# Altium PCB P01-RADIO.PcbDoc (continued)
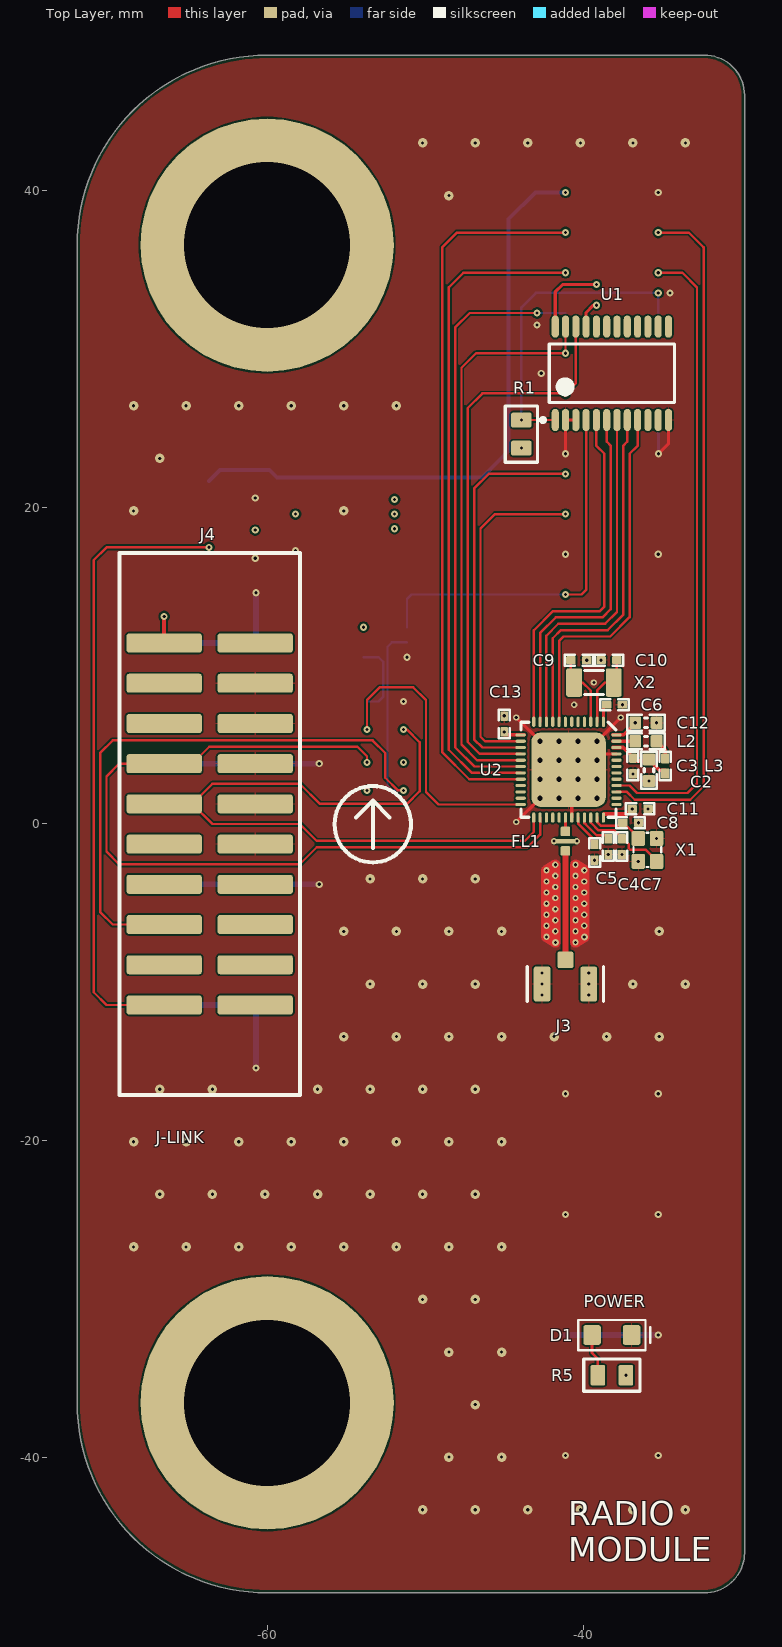
[diagram p0: Top Layer view]
## Footprints (in the part's own frame and the unit in brackets; to place one, negate y for a bottom-side part, rotate by r counter-clockwise, add the part's x,y. Pads: shape width x height; smd on the part's side, far side on the other; paste and mask are expansions set on the pad) (continued)
RT0805BRD0743KL [mm] "RES SMD 43K OHM 0.1% 1/8W 0805"
  rrect25% 0.93x1.3 smd: 1(-0.885,0) 2(0.885,0)
  silkscreen extent -1.77,-1.02 1.78,1.02, body extent -1.02,-0.64 1.01,0.63, height 0.64
SN74AHC1G08DBVR [mm] "IC GATE AND 1CH 2-INP SOT23-5"
  rrect25% 1x0.6 smd: 1(-1.375,0.95) 2(-1.375,0) 3(-1.375,-0.95) 4(1.375,-0.95) 5(1.375,0.95)
  silkscreen extent -1.5,-1.55 0.5,1.92, body extent -1.4,-1.45 1.4,1.45, height 1.45
TLV1117LV33DCYR [mm] "IC REG LINEAR 3.3V 1A SOT223-4"
  rrect25% 1.75x0.9 smd: 1(-3.125,2.3) 2(-3.125,0) 3(-3.125,-2.3)
  rrect25% 1.75x3.2 smd: 2(3.125,0)
  silkscreen extent -3.25,-3.35 1.95,3.42, body extent -3.5,-3.25 3.5,3.25, height 1.8

## Part data
C1 C14: library part CL21B105KAFNFNE, "CAP CER 1UF 25V X7R 0805", Capacitance="1 µF", Operating Temperature="-55°C ~ 125°C", Package / Case="0805 (2012 Metric)", Temperature Coefficient=X7R, Tolerance=±10%, Voltage - Rated=25V, Applications="General Purpose", Mounting Type="Surface Mount, MLCC", Size / Dimension="0.079\" L x 0.049\" W (2.00mm x 1.25mm)", Supplier 1="Arrow Electronics", Supplier Part Number 1=CL21B105KAFNFNE, Thickness (Max)="0.053\" (1.35mm)"
C2: library part GCM188R71E105KA64D, "CAP CER 1UF 25V X7R 0603", Capacitance="1 µF", Operating Temperature="-55°C ~ 125°C", Package / Case="0603 (1608 Metric)", Ratings=AEC-Q200, Temperature Coefficient=X7R, Tolerance=±10%, Voltage - Rated=25V, Applications=Automotive, Mounting Type="Surface Mount, MLCC", Size / Dimension="0.063\" L x 0.031\" W (1.60mm x 0.80mm)", Supplier 1="Arrow Electronics", Supplier Part Number 1=GCM188R71E105KA64D, Thickness (Max)="0.035\" (0.90mm)"
C3 C4 C5: library part GCM1555C1H101JA16D, "CAP CER 100PF 50V C0G/NP0 0402", Capacitance="100 pF", Operating Temperature="-55°C ~ 125°C", Package / Case="0402 (1005 Metric)", Ratings=AEC-Q200, Temperature Coefficient="C0G, NP0", Tolerance=±5%, Voltage - Rated=50V, Applications=Automotive, Mounting Type="Surface Mount, MLCC", Size / Dimension="0.039\" L x 0.020\" W (1.00mm x 0.50mm)", Supplier 1="Arrow Electronics", Supplier Part Number 1=GCM1555C1H101JA16D, Thickness (Max)="0.022\" (0.55mm)"
C6 C11 C13: library part GRM155R71H104KE14D, "CAP CER 0.1UF 50V X7R 0402", Capacitance="0.1 µF", Operating Temperature="-55°C ~ 125°C", Package / Case="0402 (1005 Metric)", Temperature Coefficient=X7R, Tolerance=±10%, Voltage - Rated=50V, Applications="General Purpose", Mounting Type="Surface Mount, MLCC", Size / Dimension="0.039\" L x 0.020\" W (1.00mm x 0.50mm)", Supplier 1="Arrow Electronics", Supplier Part Number 1=GRM155R71H104KE14D, Thickness (Max)="0.022\" (0.55mm)"
C7 C8 C9 C10: library part GJM1555C1H120GB01D, "CAP CER 12PF 50V C0G/NP0 0402", Capacitance="12 pF", Operating Temperature="-55°C ~ 125°C", Package / Case="0402 (1005 Metric)c", Temperature Coefficient="C0G, NP0", Tolerance=±2%, Voltage - Rated=50V, Applications="RF, Microwave, High Frequency", Features="High Q, Low Loss", Mounting Type="Surface Mount, MLCC", Size / Dimension="0.039\" L x 0.020\" W (1.00mm x 0.50mm)", Supplier 1="Arrow Electronics", Supplier Part Number 1=GJM1555C1H120GB01D, Thickness (Max)="0.022\" (0.55mm)"
C12: library part GRM188R61E475KE11D, "CAP CER 4.7UF 25V X5R 0603", Capacitance="4.7 µF", Operating Temperature="-55°C ~ 85°C", Package / Case="0603 (1608 Metric)", Temperature Coefficient=X5R, Tolerance=±10%, Voltage - Rated=25V, Applications="General Purpose", Mounting Type="Surface Mount, MLCCc", Size / Dimension="0.063\" L x 0.031\" W (1.60mm x 0.80mm)", Supplier 1="Arrow Electronics", Supplier Part Number 1=GRM188R61E475KE11D, Thickness (Max)="0.037\" (0.95mm)"
D1: "LED GREEN CLEAR CHIP SMD", Color=Green, Current - Test=20mA, Lens Color=Colorless, Millicandela Rating=12mcd, Package / Case="0805 (2012 Metric)", Supplier Device Package="Chip LED", Supplier Part Number 1=160-1423-1-ND, Voltage - Forward (Vf) (Typ)=2.1V, Configuration=Standard, Height (Max)=0.90mm, Lens Size="1.40mm x 1.25mm", Lens Style="Rectangle with Flat Top", Lens Transparency=Clear, Mounting Type="Surface Mount", Size / Dimension="2.00mm L x 1.25mm W", Supplier 1=Digi-Key, Viewing Angle=130°, Wavelength - Dominant=569nm, Wavelength - Peak=565nm
D2: "DIODE SCHOTTKY 30V 5A PMDS", Current - Average Rectified (Io)=5A, Current - Reverse Leakage @ Vr="150 µA @ 30 V", Operating Temperature - Junction="-55°C ~ 150°C", Package / Case="DO-214AC, SMA", Supplier Part Number 1=846-RBR5L30BDDTE25CT-ND, Voltage - DC Reverse (Vr) (Max)="30 V", Voltage - Forward (Vf) (Max) @ If="490 mV @ 5 A", Diode Type=Schottky, Mounting Type="Surface Mount", Speed="Fast Recovery =< 500ns, > 200mA (Io)", Supplier 1=Digi-Key
FL1: "RF FILTR LO PASS 2.4-2.5GHZ 0402", Frequency="2.4GHz ~ 2.5GHz", Package / Case="0402 (1005 Metric)", Supplier Part Number 1=609-2450FM07A0029T, Bandwidth=100MHz, Filter Type="Low Pass", Height (Max)="0.016\" (0.40mm)", Insertion Loss=0.8dB, Mounting Type="Surface Mount", Size / Dimension="0.039\" L x 0.020\" W (1.00mm x 0.50mm)", Supplier 1=Mouser
J1 J2 J5: "CONN HDR 20POS 0.1 TIN SMD", Current Rating (Amps)=3A, Insulation Color=Black, Material Flammability Rating="UL94 V-0", Operating Temperature="-40°C ~ 125°C", Supplier Part Number 1=S5680-ND, Voltage Rating=250V, Connector Type=Header, Contact Finish - Mating=Tin, Contact Finish - Post=Tin, Contact Material="Phosphor Bronze", Contact Shape=Square, Contact Type="Female Socket", Fastening Type=Push-Pull, Insulation Height="0.299\" (7.60mm)", Insulation Material="Polyamide (PA6T), Nylon 6T", Mounting Type="Surface Mount", Number of Positions=20, Number of Positions Loaded=All, Number of Rows=2, Pitch - Mating="0.100\" (2.54mm)", Row Spacing - Mating="0.100\" (2.54mm)", Style="Board to Board", Supplier 1=Digi-Key, System=Connector, Termination=Solder
J3: "UMCC MICRO-COAX RECEPTACLE, GEN", Dielectric Material=Thermoplastic, Frequency - Max="6 GHz", Operating Temperature="-40°C ~ 85°C", Body Material="Copper Alloy", Center Contact Material="Copper Alloy", Center Contact Plating=Gold, Connector Style="U.FL (UMCC)", Connector Type="Receptacle, Male Pin", Contact Termination=Solder, Impedance=50Ohm, Mounting Type="Surface Mount", Number of Ports=1, Shield Termination=Solder, Supplier 1="Arrow Electronics", Supplier Part Number 1=2337019-1
J4: "CONN HEADER SMD 20POS 2.54MM", Current Rating (Amps)="3A (AC/DC)", Insulation Color=Black, Material Flammability Rating="UL94 V-0", Operating Temperature="-40°C ~ 105°C", Supplier Part Number 1=1175-1623-ND, Connector Type=Header, Contact Finish - Mating=Gold, Contact Finish - Post=Gold, Contact Finish Thickness - Mating=Flash, Contact Finish Thickness - Post=Flash, Contact Material=Brass, Contact Shape=Square, Contact Type="Male Pin", Fastening Type=Push-Pull, Features="Keying Slot", Insulation Height="0.354\" (9.00mm)", Insulation Material="Polyamide (PA9T), Nylon 9T", Mounting Type="Surface Mount", Number of Positions=20, Number of Positions Loaded=All, Number of Rows=2, Pitch - Mating="0.100\" (2.54mm)", Row Spacing - Mating="0.100\" (2.54mm)", Shrouding="Shrouded - 4 Wall", Style="Board to Cable/Wire", Supplier 1=Digi-Key, Termination=Solder
L2: library part LQM18FN100M00D, "FIXED IND 10UH 50MA 1.17 OHM SMD", Current - Saturation (Isat)=50mA, Current Rating (Amps)="50 mA", DC Resistance (DCR)="1.17Ohm Max", Frequency - Self Resonant=30MHz, Inductance="10 µH", Inductance Frequency - Test="1 MHz", Operating Temperature="-55°C ~ 125°C", Package / Case="0603 (1608 Metric)", Tolerance=±20%, Height - Seated (Max)="0.035\" (0.90mm)", Material - Core=Ferrite, Mounting Type="Surface Mount", Shielding=Shielded, Size / Dimension="0.063\" L x 0.031\" W (1.60mm x 0.80mm)", Supplier 1="Arrow Electronics", Supplier Part Number 1=LQM18FN100M00D, Type=Multilayer
L3: library part 0402HS-150EKTS, "FIXED IND 15NH 560MA 172MOHM SMD", Current Rating (Amps)="560 mA", DC Resistance (DCR)=172mOhm, Frequency - Self Resonant=3.28GHz, Inductance="15 nH", Inductance Frequency - Test="250 MHz", Operating Temperature="-40°C ~ 125°C", Package / Case="0402 (1005 Metric)", Q @ Freq="24 @ 250MHz", Supplier Part Number 1=2035-0402HS-150EKTSCT-ND, Tolerance=±10%, Height - Seated (Max)="0.024\" (0.60mm)", Material - Core=Ceramic, Mounting Type="Surface Mount", Shielding=Unshielded, Size / Dimension="0.050\" L x 0.030\" W (1.27mm x 0.76mm)", Supplier 1=Digi-Key, Type="Drum Core, Wirewound"
R1: library part RC0805FR-0710KL, "RES 10K OHM 1% 1/8W 0805", Operating Temperature="-55°C ~ 155°C", Package / Case="0805 (2012 Metric)", Power (Watts)="0.125W, 1/8W", Resistance="10 kOhms", Supplier Device Package=0805, Supplier Part Number 1=3310877, Temperature Coefficient=±100ppm/°C, Tolerance=±1%, Composition="Thick Film", Features="Moisture Resistant", Height - Seated (Max)="0.024\" (0.60mm)", Number of Terminations=2, Size / Dimension="0.079\" L x 0.049\" W (2.00mm x 1.25mm)", Supplier 1="Future Electronics"
R2 R5: library part RC0805FR-7W330RL, "RES 330 OHM 1% 1/4W 0805", Operating Temperature="-55°C ~ 155°C", Power (Watts)="0.25W, 1/4W", Resistance="330 Ohms", Supplier Device Package=0805, Supplier Part Number 1=603-RC0805FR-7W330RL, Temperature Coefficient=±100ppm/°C, Tolerance=±1%, Composition="Thick Film", Features="Moisture Resistant", Height - Seated (Max)="0.024\" (0.60mm)", Number of Terminations=2, Size / Dimension="0.079\" L x 0.049\" W (2.00mm x 1.25mm)", Supplier 1=Mouser
R3 R4 R6: library part RT0805BRD0743KL, "RES SMD 43K OHM 0.1% 1/8W 0805", Operating Temperature="-55°C ~ 155°C", Power (Watts)="0.125W, 1/8W", Resistance="43 kOhms", Supplier Device Package="0805 (2012 Metric)", Supplier Part Number 1=603-RT0805BRD0743KL, Temperature Coefficient=±25ppm/°C, Tolerance=±0.1%, Composition="Thin Film", Height - Seated (Max)="0.024\" (0.60mm)", Number of Terminations=2, Size / Dimension="0.079\" L x 0.049\" W (2.00mm x 1.25mm)", Supplier 1=Mouser
U1: "IC XPND 400KHZ I2C SMBUS 24TSSOP", Clock Frequency="400 kHz", Current - Output Source/Sink="10mA, 25mA", Operating Temperature="-40°C ~ 85°C", Package / Case="24-TSSOP (0.173\", 4.40mm Width)", Supplier Device Package=24-TSSOP, Supplier Part Number 1=24AC9600, Voltage - Supply="2.3V ~ 5.5V", Features=POR, Interface="I²C, SMBus", Interrupt Output=Yes, Mounting Type="Surface Mount", Number of I/O=16, Output Type=Push-Pull, Supplier 1=Newark
U2: "IC RF TXRX+MCU BLUETOOTH 48VFQFN", Current - Receiving=4.6mA, Current - Transmitting="4.6mA ~ 25mA", Frequency=2.4GHz, Operating Temperature="-40°C ~ 85°C", Package / Case="48-VFQFN Exposed Pad", Power - Output=4dBm, Supplier Device Package="48-QFN (6x6)", Supplier Part Number 1=50AC6443, Voltage - Supply="1.7V ~ 3.6V", Data Rate (Max)=2Mbps, GPIO=32, Mounting Type="Surface Mount", Protocol="Bluetooth v5.0", RF Family/Standard=Bluetooth, Sensitivity=-96dBm, Serial Interfaces="I²C, UART", Supplier 1=Newark, Type="TxRx + MCU"
U3: "IC GATE AND 1CH 2-INP SOT23-5", Current - Output High, Low="8mA, 8mA", Current - Quiescent (Max)="1 µA", Operating Temperature="-55°C ~ 125°C", Package / Case="SC-74A, SOT-753", Supplier Device Package=SOT-23-5, Supplier Part Number 1=296-1091-1-ND, Voltage - Supply="2V ~ 5.5V", Input Logic Level - High="1.5V ~ 3.85V", Input Logic Level - Low="0.5V ~ 1.65V", Logic Type="AND Gate", Max Propagation Delay @ V, Max CL="7.9ns @ 5V, 50pF", Mounting Type="Surface Mount", Number of Circuits=1, Number of Inputs=2, Supplier 1=Digi-Key
VR1: "IC REG LINEAR 3.3V 1A SOT223-4", Current - Output=1A, Current - Quiescent (Iq)="100 µA", Operating Temperature="-40°C ~ 125°C", Package / Case="TO-261-4, TO-261AA", Supplier Part Number 1=296-28778-1-ND, Voltage - Input (Max)=5.5V, Voltage - Output (Min/Fixed)=3.3V, Voltage Dropout (Max)="1.3V @ 800mA", ComponentLink1Description=Datasheet, ComponentLink1URL=https://www.ti.com/lit/ds/symlink/tlv1117lv.pdf, Mounting Type="Surface Mount", Number of Regulators=1, Output Configuration=Positive, Output Type=Fixed, Protection Features="Over Current, Over Temperature", PSRR="75dB (120Hz)", Supplier 1=Digi-Key
X1: library part ECS-320-8-37CKM, "CRYSTAL 32.0000MHZ 8PF SMD", ESR (Equivalent Series Resistance)="60 Ohms", Frequency="32 MHz", Frequency Stability=±10ppm, Load Capacitance=8pF, Operating Mode=Fundamental, Operating Temperature="-20°C ~ 70°C", Package / Case="4-SMD, No Lead", Frequency Tolerance=±10ppm, Height - Seated (Max)="0.022\" (0.55mm)", Mounting Type="Surface Mount", Size / Dimension="0.079\" L x 0.063\" W (2.00mm x 1.60mm)", Supplier 1="Arrow Electronics", Supplier Part Number 1=ECS-320-8-37CKM, Type="MHz Crystal"
X2: library part ECS-327-9-34QS-TR, "CRYSTAL 32.7680KHZ 9PF SMD", ESR (Equivalent Series Resistance)="70 kOhms", Frequency="32.768 kHz", Frequency Tolerance=±20ppm, Load Capacitance=9pF, Operating Mode=Fundamental, Operating Temperature="-40°C ~ 125°C", Package / Case="2-SMD, No Lead", Ratings=AEC-Q200, Supplier Part Number 1=ECS-.327-9-34QS-TR, Height - Seated (Max)="0.035\" (0.90mm)", Mounting Type="Surface Mount", Size / Dimension="0.126\" L x 0.059\" W (3.20mm x 1.50mm)", Supplier 1="Arrow Electronics", Type="kHz Crystal (Tuning Fork)"

## Free pads (board coordinates)
  round 16 hole 10.5: M(-60,-36.562) M(-60,36.562)

## Via types
v1: diameter 0.6, hole 0.2, Top Layer to Bottom Layer, 78 vias
v2: diameter 0.4, hole 0.2, Top Layer to Bottom Layer, 58 vias
v3: diameter 0.45, hole 0.2, Top Layer to Bottom Layer, 57 vias
v4: diameter 0.66, hole 0.33, Top Layer to Bottom Layer, 16 vias

## Nets (pads, with @x,y where several pads share a name; then routed paths per layer and width w, separated by ;. In a path a pad name is that pad's centre, name@x,y a point inside that pad or via, vN(x,y) a via of type N, cw(c..) or ccw(c..) an arc to the next point about the centre after c; other vN are vias at no path point)
+3V3: C11.2 C12.2 C13.2 C14.2 J4.1 R1.2 R3.2 R4.2 R5.2 U1.21 U1.24 U2.13 U2.36 U2.48 U3.5 VR1.2 | length 12.8
  Top Layer w0.2: U1.24@-41.802,31.934 -41.802,33.604 -41.342,34.064 v3(-39.202,34.064) ; U1.21 -39.852,32.306 -39.392,32.766 v3(-39.202,32.766)
  Top Layer w0.229: C13.2@-45.025,5.629 U2.13 U2.13@-43.759,5.629 ; U2.48@-38.162,5.629 U2.48 -37.484,5.629 -36.747,6.366 v2(-36.747,6.391)
  Top Layer w0.254: J4.1 v3(-66.501,13.101) ; U2.36@-38.734,0.629 -37.315,0.629 -36.992,0.953 v2(-36.942,0.953)
  other v2: -45.025,5.815
  other v3: -37.342,-34.814 -53.692,2.125 -51.383,3.895 -53.913,12.43 -60.751,18.558 -51.957,18.649 -58.207,19.574 -51.957,19.574 -51.957,20.499 -43.942,23.744
+5V0: C1.2 D2.K J1.2 VR1.3 | length 39
  Bottom Layer w0.254: D2.K -62.984,22.36 C1.2 -59.86,22.36 -59.374,21.874 VR1.3 -46.433,21.874 -44.742,23.565 -44.742,38.203 -43.051,39.894 v3(-41.161,39.894)
\DEBUG_RESET: J4.15 R4.1 U3.2 | length 47.4
  Top Layer w0.152: J4.15 -69.746,-6.35 -70.546,-5.55 -70.546,4.48 -69.746,5.28 -53.338,5.28 -52.538,4.48 -52.538,2.925 -51.738,2.125 v3(-51.383,2.125)
  Bottom Layer w0.152: v3(-51.383,2.125) -52.116,2.125 -52.399,2.408 -52.399,11.197 -52.116,11.48 U3.2
\RADIO_RESET: U1.4 U3.1 | length 24.1
  Top Layer w0.152: v3(-41.161,14.494) -40.135,14.494 -39.852,14.777 U1.4
  Bottom Layer w0.152: U3.1 -51.163,14.211 -50.88,14.494 v3(-41.161,14.494)
\RADIO_SPICS: J1.3 U2.39 | length 43.3
  Top Layer w0.152: U2.39 -37.272,2.029 -36.779,1.536 -33.274,1.536 -32.426,2.384 -32.426,36.435 ; v3(-35.293,37.354) -33.369,37.354 -32.45,36.435
DEBUG_SWCLK: J4.9 R6.2 U2.25 | length 45.6
  Top Layer w0.152: J4.9 J4.9@-64.726,1.27 ; v3(-51.383,5.966) -51.167,5.966 -50.367,5.166 -50.367,2.07 -51.167,1.27 -56.665,1.27 -57.935,2.54 -63.456,2.54 J4.9@-64.726,1.27 ; U2.25 -43.161,-0.504 -43.726,-1.07 -56.865,-1.07 -57.935,0 -63.456,0 J4.9@-64.726,1.27
DEBUG_SWDIO: J4.7 R3.1 U2.26 | length 50.4
  Top Layer w0.152: J4.7 -69.346,3.81 -70.146,3.01 -70.146,-1.74 -69.346,-2.54 -57.935,-2.54 -56.865,-1.47 -43.561,-1.47 -42.761,-0.67 U2.26 ; J4.7@-64.726,3.81 -63.656,4.88 -54.292,4.88 -53.692,4.28 v3(-53.692,3.895)
FEED: FL1.3 J3.1 | length 6.9
  Top Layer w0.369: J3.1 FL1.3
GND: C1.1 C2.1 C3.1 C4.1 C5.1 C6.1 C7.2 C8.2 C9.2 C10.2 C11.1 C12.1 C13.1 C14.1 D1.K FL1.G J1.1 J1.13 J1.14 J1.19 J1.20 J2.1 J2.2 J2.7 J2.8 J2.13 J2.14 J2.19 J2.20 J3.2 J4.4 J4.6 J4.8 J4.10 J4.12 J5.1 J5.2 J5.7 J5.8 J5.13 J5.14 J5.19 J5.20 pad.M R6.1 U1.2 U1.3 U1.12 U2.31 U2.45 U2.49 U3.3 VR1.1 X1.G | length 65.1
  Top Layer w0.2: v2(-44.261,0.129) v4(-42.761,1.629) ; v2(-44.261,6.729) v4(-42.761,5.229) ; v3(-41.148,23.384) -41.152,23.388 U1.2 U1.3 ; U2.31 -40.761,3.229 U2.49 -39.961,4.429 U2.45 ; v4(-39.161,5.229) v2(-37.661,6.729) ; v3(-35.281,23.384) -34.652,24.013 U1.12
  Bottom Layer w0.2: J1.14 -41.148,24.641 v3(-41.148,23.384) ; J1.13 -35.281,24.641 v3(-35.281,23.384)
  Bottom Layer w0.369: J5.20 J5.19 v3(-60.692,-15.416) ; J5.14 J5.13 v3(-56.706,-3.81) ; J5.8 J5.7 v3(-56.706,3.81) ; J5.2 J5.1 v3(-60.692,14.605) ; J2.14 v3(-35.293,-32.274)
  other v1: -50.176,-43.308 -46.856,-43.308 -43.536,-43.308 -40.216,-43.308 -36.896,-43.308 -33.576,-43.308 -48.516,-39.988 -45.196,-39.988 -46.856,-36.668 -48.516,-33.348 -45.196,-33.348 -50.176,-30.028 -46.856,-30.028 -68.436,-26.708 -65.116,-26.708 -61.796,-26.708 -58.476,-26.708 -55.156,-26.708 -51.836,-26.708 -48.516,-26.708 -45.196,-26.708 -66.776,-23.388 -63.456,-23.388 -60.136,-23.388 -56.816,-23.388 -53.496,-23.388 -50.176,-23.388 -46.856,-23.388 -68.436,-20.068 -65.116,-20.068 -61.796,-20.068 -58.476,-20.068 -55.156,-20.068 -51.836,-20.068 -48.516,-20.068 -45.196,-20.068 -66.776,-16.748 -63.456,-16.748 -56.816,-16.748 -53.496,-16.748 -50.176,-16.748 -46.856,-16.748 -55.156,-13.428 -51.836,-13.428 -48.516,-13.428 -45.196,-13.428 -41.876,-13.428 -38.556,-13.428 -35.236,-13.428 -53.496,-10.108 -50.176,-10.108 -46.856,-10.108 -36.896,-10.108 -33.576,-10.108 -55.156,-6.788 -51.836,-6.788 -48.516,-6.788 -45.196,-6.788 -35.236,-6.788 -53.496,-3.468 -50.176,-3.468 -46.856,-3.468 -68.436,19.772 -55.156,19.772 -66.776,23.092 -68.436,26.412 -65.116,26.412 -61.796,26.412 -58.476,26.412 -55.156,26.412 -51.836,26.412 -48.516,39.692 -50.176,43.012 -46.856,43.012 -43.536,43.012 -40.216,43.012 -36.896,43.012 -33.576,43.012
  other v2: -42.636,-10.798 -39.686,-10.798 -42.636,-10.107 -39.686,-10.107 -42.636,-9.416 -39.686,-9.416 -40.526,-7.477 -42.357,-7.127 -41.796,-6.777 -40.526,-6.777 -42.356,-6.427 -39.965,-6.427 -41.796,-6.077 -40.526,-6.077 -42.356,-5.727 -39.965,-5.727 -41.796,-5.377 -40.526,-5.377 -42.356,-5.027 -39.965,-5.027 -41.796,-4.677 -40.526,-4.677 -42.356,-4.327 -39.965,-4.327 -41.796,-3.977 -40.526,-3.977 -42.356,-3.627 -39.965,-3.627 -41.796,-3.277 -40.526,-3.277 -42.356,-2.927 -39.965,-2.927 -41.796,-2.577 -40.526,-2.577 -36.555,-2.363 -39.315,-2.288 -38.453,-1.931 -37.592,-1.931 -41.886,-1.084 -40.436,-1.084 -35.405,-0.913 -36.542,0.075 -35.942,0.953 -35.881,2.717 -36.897,3.167 -35.397,6.391 -45.025,6.84 -40.611,7.534 -37.561,7.534 -39.361,8.936 -39.811,10.346 -38.911,10.346
  other v3: -41.161,-39.894 -35.293,-39.894 -41.161,-24.654 -35.293,-24.654 -41.161,-17.034 -35.293,-17.034 -41.796,-7.477 -39.965,-7.127 -51.383,7.736 -51.163,10.53 -60.751,16.788 -41.161,17.034 -35.293,17.034 -58.207,17.274 -60.751,20.59 -42.685,28.464 -42.947,31.525 -34.544,33.544 -35.293,39.894
  other v4: -41.561,1.629 -40.361,1.629 -39.161,1.629 -42.761,2.829 -41.561,2.829 -40.361,2.829 -39.161,2.829 -42.761,4.029 -41.561,4.029 -40.361,4.029 -39.161,4.029 -41.561,5.229 -40.361,5.229
GPIO_IO01: U1.5 U2.12 | length 22.8
  Top Layer w0.152: U2.12 -43.161,12.225 -41.939,13.447 -38.985,13.447 -38.702,13.73 -38.702,23.384 -39.202,23.884 U1.5
GPIO_IO02: U1.6 U2.11 | length 22.7
  Top Layer w0.152: U2.11 -42.761,12.059 -41.774,13.046 -38.82,13.046 -38.302,13.564 -38.302,23.903 -38.552,24.153 U1.6
GPIO_IO03: U1.7 U2.10 | length 22.6
  Top Layer w0.152: U2.10 -42.361,11.893 -41.608,12.646 -38.654,12.646 -37.902,13.398 U1.7
GPIO_IO04: U1.8 U2.9 | length 22.7
  Top Layer w0.152: U2.9 -41.961,11.728 -41.443,12.245 -38.489,12.245 -37.502,13.232 -37.502,23.903 -37.252,24.153 U1.8
GPIO_IO05: U1.9 U2.8 | length 22.8
  Top Layer w0.152: U2.8 -41.561,11.562 -41.278,11.845 -38.324,11.845 -37.102,13.067 -37.102,23.384 -36.602,23.884 U1.9
I2CBUS_B_SCL: J1.12 U1.22 U2.16 | length 35.8
  Top Layer w0.152: U2.16 -46.572,4.429 -47.324,5.181 -47.324,26.275 -46.405,27.194 v3(-41.161,27.194) -40.502,27.853 U1.22
I2CBUS_B_SDA: J1.10 U1.23 U2.17 | length 36.6
  Top Layer w0.152: U2.17 -46.738,4.029 -47.725,5.016 -47.725,28.815 -46.806,29.734 v3(-41.161,29.734) -41.152,29.743 U1.23
NetC2_2: C2.2 C3.2 L3.2 U2.46 | length 4.1
  Top Layer w0.229: U2.46@-38.162,4.829 U2.46 -37.509,4.829 -36.897,4.217 C3.2 C3.2@-36.897,4.082 ; C3.2@-36.797,3.982 -35.966,3.982 C2.2 -35.216,3.403 -34.865,3.403 L3.2
NetC4_2: C4.2 U2.33 | length 2.3
  Top Layer w0.152: U2.33 -39.961,0.056 -39.746,-0.159 -39.198,-0.707 -38.677,-0.707 C4.2
NetC5_2: C5.2 U2.32 | length 2.1
  Top Layer w0.152: U2.32 -40.361,0.026 -40.176,-0.159 -39.49,-0.845 -39.49,-1.113 C5.2
NetC6_2: C6.2 U2.1 | length 1.2
  Top Layer w0.2: U2.1 -38.761,7.334 C6.2
NetC7_1: C7.1 U2.34 X1.1 | length 5.7
  Top Layer w0.152: U2.34 -39.561,0.086 -39.072,-0.403 -38.401,-0.403 -38.07,-0.403 -37.592,-0.881 C7.1 -37.368,-1.155 -37.268,-1.155 -37.161,-1.262 -37.161,-1.53 -37.053,-1.638 -36.08,-1.638 -35.405,-2.313 X1.1
NetC8_1: C8.1 U2.35 X1.3 | length 3.5
  Top Layer w0.152: U2.35@-39.161,0.434 -39.161,0.116 -38.946,-0.099 C8.1@-37.542,-0.099 ; C8.1 -37.493,0.075 -36.555,-0.863 X1.3
NetC9_1: C9.1 U2.3 X2.1 | length 4.7
  Top Layer w0.152: C9.1 -40.811,9.136 X2.1 -40.072,8.936 -39.561,8.425 U2.3
NetC10_1: C10.1 U2.2 X2.2 | length 4.7
  Top Layer w0.152: U2.2 -39.161,8.425 -38.65,8.936 X2.2 -37.911,9.136 C10.1
NetD1_A: D1.A R5.1 | length 2.7
  Top Layer w0.171: D1.A -39.477,-33.417 -39.112,-33.782 R5.1
NetD2_A: D2.A J4.19 | length 39.7
  Top Layer w0.152: J4.19 -70.146,-11.43 -70.946,-10.63 -70.946,16.674 -70.146,17.474 v3(-63.67,17.474)
NetFL1_1: FL1.1 U2.30 | length 0.9
  Top Layer w0.2: FL1.1 U2.30
NetL2_1: L2.1 U2.47 | length 1.4
  Top Layer w0.229: U2.47@-38.162,5.229 U2.47 L2.1
NetL2_2: L2.2 L3.1 | length 1.3
  Top Layer w0.229: L2.2 -34.865,4.697 L3.1
NetR2_1: R2.1 U3.4 | length 4.7
  Bottom Layer w0.152: U3.4 -52.959,10.53 -52.676,10.247 -52.676,8.019 -52.959,7.736 R2.1
NetR2_2: R2.2 U2.24 | length 18.4
  Top Layer w0.152: v3(-53.692,5.966) -53.692,7.825 -52.892,8.625 -50.767,8.625 -49.967,7.825 -49.967,2.029 -49.167,1.229 U2.24
RADIO_GPIOINT: J1.7 R1.1 U1.1 | length 19.6
  Top Layer w0.152: v3(-43.942,25.514) U1.1
  Bottom Layer w0.152: v3(-43.942,25.514) -43.942,32.625 -43.023,33.544 v3(-35.293,33.544) J1.7
RADIO_SPIINT: J1.5 U2.40 | length 40.2
  Top Layer w0.152: U2.40 -37.106,2.429 -36.638,1.96 -33.45,1.96 -32.85,2.56 -32.85,33.895 -33.769,34.814 v3(-35.293,34.814)
  Bottom Layer w0.152: v3(-35.293,34.814) J1.5@-34.756,34.814
RADIO_UARTRX: J1.18 U2.14 | length 21.5
  Top Layer w0.152: U2.14 -46.241,5.229 -46.524,5.512 -46.524,18.655 -45.604,19.574 v3(-41.161,19.574)
RADIO_UARTTX: J1.16 U2.15 | length 25.1
  Top Layer w0.152: U2.15 -46.406,4.829 -46.924,5.347 -46.924,21.195 -46.005,22.114 v3(-41.161,22.114)
SPIBUS_B_CLK: J1.4 U2.20 | length 45.7
  Top Layer w0.152: U2.20 -47.235,2.829 -48.926,4.52 -48.926,36.435 -48.007,37.354 v3(-41.161,37.354)
SPIBUS_B_MISO: J1.8 U2.18 | length 38.5
  Top Layer w0.152: U2.18 -46.903,3.629 -48.125,4.851 -48.125,31.355 -47.206,32.274 v3(-42.947,32.274)
  Bottom Layer w0.152: v3(-42.947,32.274) J1.8
SPIBUS_B_MOSI: J1.6 U2.19 | length 42.1
  Top Layer w0.152: U2.19 -47.069,3.229 -48.526,4.686 -48.526,33.895 -47.607,34.814 v3(-41.161,34.814)
pads on no net: J1.9 J1.11 J1.15 J1.17 J2.3 J2.4 J2.5 J2.6 J2.9 J2.10 J2.11 J2.12 J2.15 J2.16 J2.17 J2.18 J4.2 J4.3 J4.5 J4.11 J4.13 J4.14 J4.16 J4.17 J4.18 J4.20 J5.3 J5.4 J5.5 J5.6 J5.9 J5.10 J5.11 J5.12 J5.15 J5.16 J5.17 J5.18 U1.10 U1.11 U1.13 U1.14 U1.15 U1.16 U1.17 U1.18 U1.19 U1.20 U2.4 U2.5 U2.6 U2.7 U2.21 U2.22 U2.23 U2.27 U2.28 U2.29 U2.37 U2.38 U2.41 U2.42 U2.43 U2.44

## Polygon pours and split planes (outlines as drawn)
GND on Bottom Layer "Bottom Polygon" (solid, remove dead copper, pour order 12): -32.385,-48.562 ccw(c-32.385,-46.022) -29.845,-46.022 -29.845,46.021 ccw(c-32.385,46.021) -32.385,48.561 -60,48.561 ccw(c-60,36.561) -72,36.561 -72,-36.562 ccw(c-60,-36.562) -60,-48.562
GND on Top Layer "Top Polygon" (solid, remove dead copper, pour order 8): -72,-36.562 ccw(c-60,-36.562) -60,-48.562 -32.385,-48.562 ccw(c-32.385,-46.022) -29.845,-46.022 -29.845,46.021 ccw(c-32.385,46.021) -32.385,48.561 -60,48.561 ccw(c-60,36.561) -72,36.561
+3V3 on Mid Layer 2 (split plane): -60,48.051 -32.385,48.051 -32.369,48.053 -32.186,48.044 -31.989,48.014 -31.795,47.966 -31.607,47.899 -31.427,47.813 -31.256,47.711 -31.096,47.592 -30.948,47.458 -30.814,47.311 -30.696,47.15 -30.593,46.979 -30.508,46.799 -30.441,46.611 -30.392,46.418 -30.363,46.221 -30.354,46.038 -30.355,46.021 -30.355,-46.022 -30.354,-46.038 -30.363,-46.221 -30.392,-46.418 -30.441,-46.611 -30.508,-46.799 -30.593,-46.979 -30.696,-47.15 -30.814,-47.311 -30.948,-47.458 -31.096,-47.592 -31.256,-47.711 -31.427,-47.813 -31.607,-47.899 -31.795,-47.966 -31.989,-48.014 -32.186,-48.044 -32.369,-48.053 -32.385,-48.051 -60,-48.051 -60.02,-48.053 -60.475,-48.044 -60.949,-48.014 -61.421,-47.965 -61.892,-47.897 -62.358,-47.809 -62.821,-47.702 -63.279,-47.576 -63.731,-47.431 -64.177,-47.267 -64.616,-47.086 -65.047,-46.886 -65.47,-46.668 -65.883,-46.434 -66.285,-46.182 -66.678,-45.914 -67.058,-45.63 -67.427,-45.331 -67.783,-45.016 -68.126,-44.688 -68.455,-44.345 -68.769,-43.989 -69.069,-43.62 -69.353,-43.239 -69.621,-42.847 -69.872,-42.444 -70.107,-42.031 -70.324,-41.609 -70.524,-41.178 -70.706,-40.739 -70.869,-40.293 -71.014,-39.841 -71.14,-39.383 -71.247,-38.92 -71.335,-38.453 -71.404,-37.983 -71.453,-37.511 -71.482,-37.036 -71.492,-36.581 -71.49,-36.562 -71.49,36.561 -71.492,36.581 -71.482,37.036 -71.453,37.51 -71.404,37.983 -71.335,38.453 -71.247,38.92 -71.14,39.383 -71.014,39.841 -70.869,40.293 -70.706,40.739 -70.524,41.178 -70.324,41.609 -70.107,42.031 -69.872,42.444 -69.621,42.847 -69.353,43.239 -69.069,43.62 -68.769,43.989 -68.455,44.345 -68.126,44.687 -67.783,45.016 -67.427,45.331 -67.058,45.63 -66.678,45.914 -66.285,46.182 -65.883,46.434 -65.47,46.668 -65.047,46.886 -64.616,47.085 -64.177,47.267 -63.731,47.431 -63.279,47.576 -62.821,47.702 -62.358,47.809 -61.892,47.897 -61.421,47.965 -60.949,48.014 -60.475,48.044 -60.02,48.053
GND on Mid Layer 1 (split plane): -60,48.051 -32.385,48.051 -32.369,48.053 -32.186,48.044 -31.989,48.014 -31.795,47.966 -31.607,47.899 -31.427,47.813 -31.256,47.711 -31.096,47.592 -30.948,47.458 -30.814,47.311 -30.696,47.15 -30.593,46.979 -30.508,46.799 -30.441,46.611 -30.392,46.418 -30.363,46.221 -30.354,46.038 -30.355,46.021 -30.355,-46.022 -30.354,-46.038 -30.363,-46.221 -30.392,-46.418 -30.441,-46.611 -30.508,-46.799 -30.593,-46.979 -30.696,-47.15 -30.814,-47.311 -30.948,-47.458 -31.096,-47.592 -31.256,-47.711 -31.427,-47.813 -31.607,-47.899 -31.795,-47.966 -31.989,-48.014 -32.186,-48.044 -32.369,-48.053 -32.385,-48.051 -60,-48.051 -60.02,-48.053 -60.475,-48.044 -60.949,-48.014 -61.421,-47.965 -61.892,-47.897 -62.358,-47.809 -62.821,-47.702 -63.279,-47.576 -63.731,-47.431 -64.177,-47.267 -64.616,-47.086 -65.047,-46.886 -65.47,-46.668 -65.883,-46.434 -66.285,-46.182 -66.678,-45.914 -67.058,-45.63 -67.427,-45.331 -67.783,-45.016 -68.126,-44.688 -68.455,-44.345 -68.769,-43.989 -69.069,-43.62 -69.353,-43.239 -69.621,-42.847 -69.872,-42.444 -70.107,-42.031 -70.324,-41.609 -70.524,-41.178 -70.706,-40.739 -70.869,-40.293 -71.014,-39.841 -71.14,-39.383 -71.247,-38.92 -71.335,-38.453 -71.404,-37.983 -71.453,-37.511 -71.482,-37.036 -71.492,-36.581 -71.49,-36.562 -71.49,36.561 -71.492,36.581 -71.482,37.036 -71.453,37.51 -71.404,37.983 -71.335,38.453 -71.247,38.92 -71.14,39.383 -71.014,39.841 -70.869,40.293 -70.706,40.739 -70.524,41.178 -70.324,41.609 -70.107,42.031 -69.872,42.444 -69.621,42.847 -69.353,43.239 -69.069,43.62 -68.769,43.989 -68.455,44.345 -68.126,44.687 -67.783,45.016 -67.427,45.331 -67.058,45.63 -66.678,45.914 -66.285,46.182 -65.883,46.434 -65.47,46.668 -65.047,46.886 -64.616,47.085 -64.177,47.267 -63.731,47.431 -63.279,47.576 -62.821,47.702 -62.358,47.809 -61.892,47.897 -61.421,47.965 -60.949,48.014 -60.475,48.044 -60.02,48.053

## Other copper
Top Layer:
  region net GND: -41.472,-7.477 cw(c-41.796,-7.477) -41.967,-7.751 -42.528,-7.401 cw(c-42.357,-7.127) -42.68,-7.127 -42.68,-2.927 cw(c-42.356,-2.927) -42.528,-2.652 -41.967,-2.302 cw(c-41.796,-2.577) -41.472,-2.577
  region net GND: -39.793,-7.401 -40.355,-7.751 cw(c-40.526,-7.477) -40.849,-7.477 -40.849,-2.577 cw(c-40.526,-2.577) -40.354,-2.302 -39.794,-2.652 cw(c-39.965,-2.927) -39.641,-2.927 -39.641,-7.127 cw(c-39.965,-7.127)
Bottom Layer:
  region net GND: -39.793,-7.401 -40.355,-7.751 cw(c-40.526,-7.477) -40.849,-7.477 -40.849,-2.577 cw(c-40.526,-2.577) -40.354,-2.302 -39.794,-2.652 cw(c-39.965,-2.927) -39.641,-2.927 -39.641,-7.127 cw(c-39.965,-7.127)
  region net GND: -41.472,-7.477 cw(c-41.796,-7.477) -41.967,-7.751 -42.528,-7.401 cw(c-42.357,-7.127) -42.68,-7.127 -42.68,-2.927 cw(c-42.356,-2.927) -42.528,-2.652 -41.967,-2.302 cw(c-41.796,-2.577) -41.472,-2.577

## Silkscreen, mask and mechanical layers (free items; w line width, h text height)
Top Overlay:
  circle w0.254: c-53.325,-0.014 r2.413
  lines w0.254: -54.386,0.425 -53.325,1.486 ; -53.325,-1.514 -53.325,1.486 ; -52.265,0.425 -53.325,1.486
  text "J-LINK" at -67.041,-20.178 h0.76
  text "POWER" at -40.004,-30.527 h0.76
  text "RADIO / MODULE" at -40.986,-46.562 h1.52
Bottom Overlay:
  text "02" at -43.363,39.513 h0.76
  text "01" at -32.076,39.513 h0.76
  text "20" at -43.363,16.653 h0.76
  text "19" at -31.949,16.653 h0.76
  text "02" at -68.761,11.049 h0.76
  text "01" at -57.475,11.049 h0.76
  text "20" at -68.761,-11.811 h0.76
  text "19" at -57.348,-11.811 h0.76
  text "02" at -43.363,-17.415 h0.76
  text "01" at -32.076,-17.415 h0.76
  text "20" at -43.363,-40.275 h0.76
  text "19" at -31.949,-40.275 h0.76
Top Solder:
  region: -40.976,-7.793 -40.976,-2.24 -41.345,-2.24 -41.345,-7.793
  region: -41.472,-7.477 cw(c-41.796,-7.477) -41.967,-7.751 -42.528,-7.401 cw(c-42.357,-7.127) -42.68,-7.127 -42.68,-2.927 cw(c-42.356,-2.927) -42.528,-2.652 -41.967,-2.302 cw(c-41.796,-2.577) -41.472,-2.577
  region: -39.793,-7.401 -40.355,-7.751 cw(c-40.526,-7.477) -40.849,-7.477 -40.849,-2.577 cw(c-40.526,-2.577) -40.354,-2.302 -39.794,-2.652 cw(c-39.965,-2.927) -39.641,-2.927 -39.641,-7.127 cw(c-39.965,-7.127)
Bottom Solder:
  region: -39.793,-7.401 -40.355,-7.751 cw(c-40.526,-7.477) -40.849,-7.477 -40.849,-2.577 cw(c-40.526,-2.577) -40.354,-2.302 -39.794,-2.652 cw(c-39.965,-2.927) -39.641,-2.927 -39.641,-7.127 cw(c-39.965,-7.127)
  region: -41.472,-7.477 cw(c-41.796,-7.477) -41.967,-7.751 -42.528,-7.401 cw(c-42.357,-7.127) -42.68,-7.127 -42.68,-2.927 cw(c-42.356,-2.927) -42.528,-2.652 -41.967,-2.302 cw(c-41.796,-2.577) -41.472,-2.577
Mechanical 3:
  lines w0.254: -72,-36.558 ccw(c-60,-36.558) -60,-48.558 -25.4,-48.558 -7.938,-48.558 ccw(c-7.938,-47.288) -6.667,-47.288 -6.668,-29.331 cw(c-5.397,-29.331) -5.397,-28.061 10.503,-28.061 cw(c10.503,-29.331) 11.773,-29.331 11.773,-47.288 ccw(c13.043,-47.288) 13.043,-48.558 60,-48.558 ccw(c60,-36.558) 72,-36.558 72,36.565 ccw(c60,36.565) 60,48.565 -60,48.565 ccw(c-60,36.565) -72,36.565 -72,-36.558
Mechanical 5:
  circle w0.127: c0,0 r0.064
Mechanical 9:
  circle w0.254: c60,-36.562 r12
  circle w0.254: c60,36.561 r6
  circle w0.254: c60,-36.562 r6
  circle w0.254: c-60,-36.562 r12
  circle w0.254: c-60,-36.562 r6
  circle w0.254: c-60,36.561 r6
  circle w0.254: c-60,36.561 r12
  circle w0.254: c60,36.561 r12
  circle w0.127: c0,0 r0.064
  lines w0.254: -72,-36.562 ccw(c-60,-36.562) -60,-48.562 ; -72,-36.562 ccw(c-60,-36.562) -60,-48.562 ; -72,-36.562 -72,36.562 ; -72,36.561 cw(c-60,36.561) -60,48.561 ; -72,36.561 cw(c-60,36.561) -60,48.561 ; -60,-48.562 -32.385,-48.562 ccw(c-32.385,-46.022) -29.845,-46.022 -29.845,46.021 ccw(c-32.385,46.021) -32.385,48.561 -60,48.561 ; 60,-48.562 ccw(c60,-36.562) 72,-36.562 ; 60,-48.562 ccw(c60,-36.562) 72,-36.562 ; 60,-48.562 32.385,-48.562 cw(c32.385,-46.022) 29.845,-46.022 29.845,46.021 cw(c32.385,46.021) 32.385,48.561 60,48.561 ; 60,48.561 cw(c60,36.561) 72,36.561 ; 60,48.561 cw(c60,36.561) 72,36.561 ; 72,-36.562 72,36.562
Mechanical 11:
  circle w0.127: c-41.796,-7.477 r0.275
  circle w0.064: c-40.526,-7.477 r0.032
  circle w0.127: c-40.526,-7.477 r0.275
  lines w0.127: -42.68,-7.127 ccw(c-42.357,-7.127) -42.528,-7.401 -41.967,-7.751 ccw(c-41.796,-7.477) -41.472,-7.477 -41.472,-2.577 ccw(c-41.796,-2.577) -41.967,-2.302 -42.528,-2.652 ccw(c-42.356,-2.927) -42.68,-2.927 -42.68,-7.127 ; -40.849,-7.477 ccw(c-40.526,-7.477) -40.355,-7.751 -39.793,-7.401 ccw(c-39.965,-7.127) -39.641,-7.127 -39.641,-2.927 ccw(c-39.965,-2.927) -39.794,-2.652 -40.354,-2.302 ccw(c-40.526,-2.577) -40.849,-2.577 -40.849,-7.477
Mechanical 15:
  lines w0.254: -70,0 70,0 ; 0,-46.562 0,46.562